# Altium PCB KB-PCB-R02.PcbDoc (part 1 of 5) (continued)
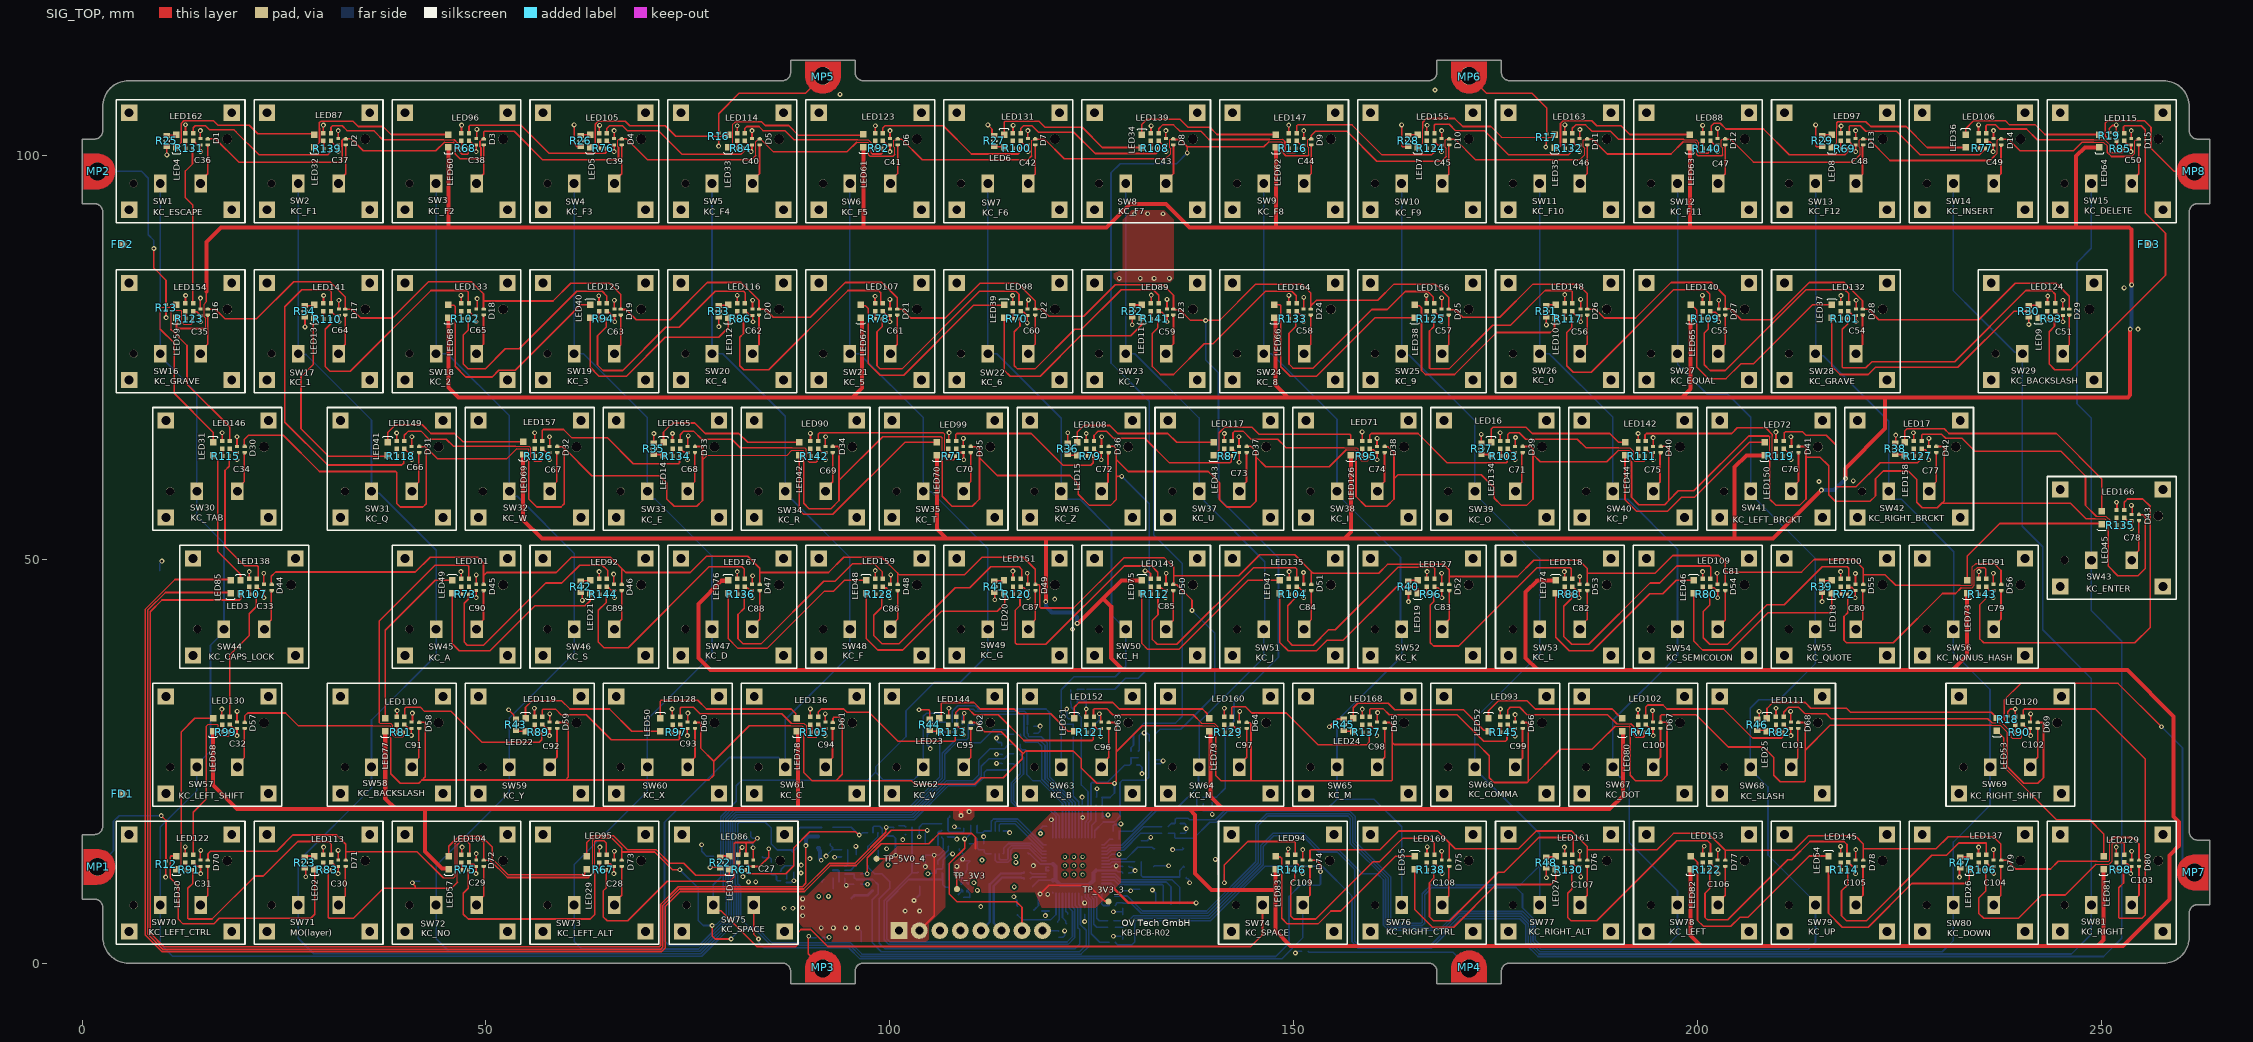
[diagram p0: SIG_TOP view]
## Components (designator, comment, footprint, x,y, rotation, side; value= is the part's Value field where it differs from the comment) (continued)
C72 "100nF 25V" CAPC1005X06L 126.16,63.62 r90 top
C73 "100nF 25V" CAPC1005X06L 143.233,63.62 r90 top
C74 "100nF 25V" CAPC1005X06L 160.307,63.62 r90 top
C75 "100nF 25V" CAPC1005X06L 194.459,63.62 r90 top
C76 "100nF 25V" CAPC1005X06L 211.532,63.62 r90 top
C77 "100nF 25V" CAPC1005X06L 228.605,63.62 r90 top
C78 "100nF 25V" CAPC1005X06L 253.678,55.2 r90 top
C79 "100nF 25V" CAPC1005X06L 236.605,46.547 r90 top
C80 "100nF 25V" CAPC1005X06L 219.527,46.547 r90 top
C81 "100nF 25V" CAPC1005X06L 202.453,46.547 r90 top
C82 "100nF 25V" CAPC1005X06L 185.38,46.547 r90 top
C83 "100nF 25V" CAPC1005X06L 168.307,46.547 r90 top
C84 "100nF 25V" CAPC1005X06L 151.233,46.547 r90 top
C85 "100nF 25V" CAPC1005X06L 134.16,46.547 r90 top
C86 "100nF 25V" CAPC1005X06L 100.014,46.547 r90 top
C87 "100nF 25V" CAPC1005X06L 117.087,46.547 r90 top
C88 "100nF 25V" CAPC1005X06L 82.94,46.547 r90 top
C89 "100nF 25V" CAPC1005X06L 65.867,46.547 r90 top
C90 "100nF 25V" CAPC1005X06L 48.794,46.547 r90 top
C91 "100nF 25V" CAPC1005X06L 40.794,29.474 r90 top
C92 "100nF 25V" CAPC1005X06L 57.867,29.474 r90 top
C93 "100nF 25V" CAPC1005X06L 74.94,29.474 r90 top
C94 "100nF 25V" CAPC1005X06L 92.014,29.474 r90 top
C95 "100nF 25V" CAPC1005X06L 109.087,29.474 r90 top
C96 "100nF 25V" CAPC1005X06L 126.16,29.474 r90 top
C97 "100nF 25V" CAPC1005X06L 143.233,29.474 r90 top
C98 "100nF 25V" CAPC1005X06L 160.307,29.474 r90 top
C99 "100nF 25V" CAPC1005X06L 177.38,29.474 r90 top
C100 "100nF 25V" CAPC1005X06L 194.453,29.474 r90 top
C101 "100nF 25V" CAPC1005X06L 211.527,29.474 r90 top
C102 "100nF 25V" CAPC1005X06L 241.142,29.474 r90 top
C103 "100nF 25V" CAPC1005X06L 253.678,12.4 r90 top
C104 "100nF 25V" CAPC1005X06L 236.605,12.4 r90 top
C105 "100nF 25V" CAPC1005X06L 219.532,12.4 r90 top
C106 "100nF 25V" CAPC1005X06L 202.459,12.4 r90 top
C107 "100nF 25V" CAPC1005X06L 185.385,12.4 r90 top
C108 "100nF 25V" CAPC1005X06L 168.312,12.4 r90 top
C109 "100nF 25V" CAPC1005X06L 151.089,12.4 r90 top
C110 "330pF 50V" CAPC1005X06L 125.9,18.8 r0 bottom
C111 "330pF 50V" CAPC1005X06L 132.45,24.582 r0 bottom
C112 "330pF 50V" CAPC1005X06L 138.376,19.75 r0 bottom
C113 "330pF 50V" CAPC1005X06L 122.8,32.15 r0 bottom
C114 "330pF 50V" CAPC1005X06L 130.15,24.582 r0 bottom
C115 "100nF 25V" CAPC1005X06L 106.8,15.65 r0 bottom
C116 "100nF 25V" CAPC1005X06L 96,9.8 r0 bottom
D1 "BAT54LS-QYL" DFN1006-2A 15.585,101.7 r270 top
D2 "BAT54LS-QYL" DFN1006-2A 32.655,101.7 r270 top
D3 "BAT54LS-QYL" DFN1006-2A 49.734,101.702 r270 top
D4 "BAT54LS-QYL" DFN1006-2A 66.8,101.7 r270 top
D5 "BAT54LS-QYL" DFN1006-2A 83.867,101.7 r270 top
D6 "BAT54LS-QYL" DFN1006-2A 100.951,101.7 r270 top
D7 "BAT54LS-QYL" DFN1006-2A 118.017,101.7 r270 top
D8 "BAT54LS-QYL" DFN1006-2A 135.1,101.7 r270 top
D9 "BAT54LS-QYL" DFN1006-2A 152.172,101.7 r270 top
D10 "BAT54LS-QYL" DFN1006-2A 169.232,101.7 r270 top
D11 "BAT54LS-QYL" DFN1006-2A 186.3,101.7 r270 top
D12 "BAT54LS-QYL" DFN1006-2A 203.4,101.7 r270 top
D13 "BAT54LS-QYL" DFN1006-2A 220.483,101.7 r270 top
D14 "BAT54LS-QYL" DFN1006-2A 237.543,101.696 r270 top
D15 "BAT54LS-QYL" DFN1006-2A 254.6,101.7 r270 top
D16 "BAT54LS-QYL" DFN1006-2A 15.585,80.627 r270 top
D17 "BAT54LS-QYL" DFN1006-2A 32.6,80.627 r270 top
D18 "BAT54LS-QYL" DFN1006-2A 49.7,80.627 r270 top
D19 "BAT54LS-QYL" DFN1006-2A 66.7,80.627 r270 top
D20 "BAT54LS-QYL" DFN1006-2A 83.8,80.627 r270 top
D21 "BAT54LS-QYL" DFN1006-2A 100.9,80.627 r270 top
D22 "BAT54LS-QYL" DFN1006-2A 117.996,80.627 r270 top
D23 "BAT54LS-QYL" DFN1006-2A 135.1,80.627 r270 top
D24 "BAT54LS-QYL" DFN1006-2A 152.1,80.627 r270 top
D25 "BAT54LS-QYL" DFN1006-2A 169.2,80.627 r270 top
D26 "BAT54LS-QYL" DFN1006-2A 186.3,80.627 r270 top
D27 "BAT54LS-QYL" DFN1006-2A 203.4,80.627 r270 top
D28 "BAT54LS-QYL" DFN1006-2A 220.4,80.627 r270 top
D29 "BAT54LS-QYL" DFN1006-2A 246,80.627 r270 top
D30 "BAT54LS-QYL" DFN1006-2A 20.122,63.62 r270 top
D31 "BAT54LS-QYL" DFN1006-2A 41.732,63.62 r270 top
D32 "BAT54LS-QYL" DFN1006-2A 58.805,63.62 r270 top
D33 "BAT54LS-QYL" DFN1006-2A 75.878,63.62 r270 top
D34 "BAT54LS-QYL" DFN1006-2A 92.952,63.62 r270 top
D35 "BAT54LS-QYL" DFN1006-2A 110.025,63.62 r270 top
D36 "BAT54LS-QYL" DFN1006-2A 127.098,63.62 r270 top
D37 "BAT54LS-QYL" DFN1006-2A 144.171,63.62 r270 top
D38 "BAT54LS-QYL" DFN1006-2A 161.245,63.62 r270 top
D39 "BAT54LS-QYL" DFN1006-2A 178.318,63.62 r270 top
D40 "BAT54LS-QYL" DFN1006-2A 195.397,63.62 r270 top
D41 "BAT54LS-QYL" DFN1006-2A 212.47,63.62 r270 top
D42 "BAT54LS-QYL" DFN1006-2A 229.543,63.62 r270 top
D43 "BAT54LS-QYL" DFN1006-2A 254.616,55.2 r270 top
D44 "BAT54LS-QYL" DFN1006-2A 23.469,46.547 r270 top
D45 "BAT54LS-QYL" DFN1006-2A 49.732,46.547 r270 top
D46 "BAT54LS-QYL" DFN1006-2A 66.805,46.547 r270 top
D47 "BAT54LS-QYL" DFN1006-2A 83.878,46.547 r270 top
D48 "BAT54LS-QYL" DFN1006-2A 100.952,46.547 r270 top
D49 "BAT54LS-QYL" DFN1006-2A 118.025,46.547 r270 top
D50 "BAT54LS-QYL" DFN1006-2A 135.098,46.547 r270 top
D51 "BAT54LS-QYL" DFN1006-2A 152.171,46.547 r270 top
D52 "BAT54LS-QYL" DFN1006-2A 169.245,46.547 r270 top
D53 "BAT54LS-QYL" DFN1006-2A 186.318,46.547 r270 top
D54 "BAT54LS-QYL" DFN1006-2A 203.391,46.547 r270 top
D55 "BAT54LS-QYL" DFN1006-2A 220.465,46.547 r270 top
D56 "BAT54LS-QYL" DFN1006-2A 237.543,46.547 r270 top
D57 "BAT54LS-QYL" DFN1006-2A 20.122,29.474 r270 top
D58 "BAT54LS-QYL" DFN1006-2A 41.732,29.474 r270 top
D59 "BAT54LS-QYL" DFN1006-2A 58.805,29.474 r270 top
D60 "BAT54LS-QYL" DFN1006-2A 75.878,29.474 r270 top
D61 "BAT54LS-QYL" DFN1006-2A 92.952,29.474 r270 top
D62 "BAT54LS-QYL" DFN1006-2A 110.025,29.474 r270 top
D63 "BAT54LS-QYL" DFN1006-2A 127.098,29.474 r270 top
D64 "BAT54LS-QYL" DFN1006-2A 144.171,29.474 r270 top
D65 "BAT54LS-QYL" DFN1006-2A 161.245,29.474 r270 top
D66 "BAT54LS-QYL" DFN1006-2A 178.318,29.474 r270 top
D67 "BAT54LS-QYL" DFN1006-2A 195.391,29.474 r270 top
D68 "BAT54LS-QYL" DFN1006-2A 212.465,29.474 r270 top
D69 "BAT54LS-QYL" DFN1006-2A 242.08,29.474 r270 top
D70 "BAT54LS-QYL" DFN1006-2A 15.585,12.4 r270 top
D71 "BAT54LS-QYL" DFN1006-2A 32.658,12.4 r270 top
D72 "BAT54LS-QYL" DFN1006-2A 49.732,12.4 r270 top
D73 "BAT54LS-QYL" DFN1006-2A 66.805,12.4 r270 top
D74 "BAT54LS-QYL" DFN1006-2A 152.027,12.4 r270 top
D75 "BAT54LS-QYL" DFN1006-2A 169.25,12.4 r270 top
D76 "BAT54LS-QYL" DFN1006-2A 186.323,12.4 r270 top
D77 "BAT54LS-QYL" DFN1006-2A 203.397,12.4 r270 top
D78 "BAT54LS-QYL" DFN1006-2A 220.47,12.4 r270 top
D79 "BAT54LS-QYL" DFN1006-2A 237.543,12.4 r270 top
D80 "BAT54LS-QYL" DFN1006-2A 254.616,12.4 r270 top
D81 "PESD5V5C1UL" DFN65P100X50-2N 114.25,24.732 r180 bottom
D82 "PESD5V5C1UL" DFN65P100X50-2N 114.25,25.937 r180 bottom
D83 "PESD5V5C1UL" DFN65P100X50-2N 114.25,27.148 r180 bottom
D84 "PESD5V5C1UL" DFN65P100X50-2N 114.25,28.37 r180 bottom
D85 "PESD5V5C1UL" DFN65P100X50-2N 109.343,29.598 r180 bottom
D86 "PESD5V5C1UL" DFN65P100X50-2N 105.833,29.878 r180 bottom
D87 "PESD5V5C1UL" DFN65P100X50-2N 122.704,29.965 r90 bottom
D88 "PESD5V5C1UL" DFN65P100X50-2N 128.002,16.382 r180 bottom
D89 "PESD5V5C1UL" DFN65P100X50-2N 135.609,17.33 r0 bottom
D90 "PESD5V5C1UL" DFN65P100X50-2N 135.609,16.136 r0 bottom
D91 "PESD5V5C1UL" DFN65P100X50-2N 128.826,8.701 r90 bottom
D92 "PESD5V5C1UL" DFN65P100X50-2N 128.822,7.173 r270 bottom
D93 "PESD5V5C1UL" DFN65P100X50-2N 128.827,5.659 r90 bottom
D94 "PESD5V5C1UL" DFN65P100X50-2N 128.827,4.145 r270 bottom
D95 "PESD5V5C1UL" DFN65P100X50-2N 128.827,2.632 r90 bottom
D96 "PESD5V5C1UL" DFN65P100X50-2N 130.5,27.575 r0 bottom
D97 "PESD5V5C1UL" DFN65P100X50-2N 139.876,20.25 r270 bottom
D98 "PESD5V5C1UL" DFN65P100X50-2N 124.355,33.606 r270 bottom
D99 "PESD5V5C1UL" DFN65P100X50-2N 132.45,27.542 r180 bottom
D100 "PESD5V5C1UL" DFN65P100X50-2N 125.89,20.541 r180 bottom
D101 "PESD5V5C1UL" DFN65P100X50-2N 105.833,28.659 r180 bottom
FD1 "FD_1mm" FD_1mm_Copper_3mm_Expansion 5,21 r0 top
FD2 "FD_1mm" FD_1mm_Copper_3mm_Expansion 5,89 r0 top
FD3 "FD_1mm" FD_1mm_Copper_3mm_Expansion 255.855,89 r0 top
FD4 "FD_1mm" FD_1mm_Copper_3mm_Expansion 5,21 r180 bottom
FD5 "FD_1mm" FD_1mm_Copper_3mm_Expansion 5,89 r180 bottom
FD6 "FD_1mm" FD_1mm_Copper_3mm_Expansion 255.855,89 r180 bottom
J2_DBG "SM05B-SRSS-TB" "WIRE-TO-BOARD SM05B-SRSS-TB" 134.848,5.797 r0 bottom
J_IN1 "8x2,54mm spring header receptable" "BOARD-BOARD CON SPRING-LOADED HEADER 8X2,54MM RECEPTABLE" 110,4.07 r0 bottom
L1 "3.3 uH 4.4A" INDM4141X21N 95.253,6.729 r90 bottom
LED1 "HL-PT-1608H322W-L" "LED 0603" 80.129,12.487 r90 top
LED2 "HL-PT-1608H322W-L" "LED 0603" 28.76,12.487 r90 top
LED3 "HL-PT-1608H322W-L" "LED 0603" 19.617,46.634 r270 top
LED4 "HL-PT-1608H322W-L" "LED 0603" 11.687,101.81 r90 top
LED5 "HL-PT-1608H322W-L" "LED 0603" 62.906,101.81 r90 top
LED6 "HL-PT-1608H322W-L" "LED 0603" 114.134,101.81 r270 top
LED7 "HL-PT-1608H322W-L" "LED 0603" 165.349,101.81 r90 top
LED8 "HL-PT-1608H322W-L" "LED 0603" 216.6,101.81 r90 top
LED9 "HL-PT-1608H322W-L" "LED 0603" 242.181,80.737 r90 top
LED10 "HL-PT-1608H322W-L" "LED 0603" 182.42,80.737 r90 top
LED11 "HL-PT-1608H322W-L" "LED 0603" 131.172,80.737 r90 top
LED12 "HL-PT-1608H322W-L" "LED 0603" 79.98,80.737 r90 top
LED13 "HL-PT-1608H322W-L" "LED 0603" 28.772,80.737 r90 top
LED14 "HL-PT-1608H322W-L" "LED 0603" 71.98,63.707 r270 top
LED15 "HL-PT-1608H322W-L" "LED 0603" 123.2,63.707 r270 top
LED16 "HL-PT-1608H322W-L" "LED 0603" 174.42,63.707 r270 top
LED17 "HL-PT-1608H322W-L" "LED 0603" 225.645,63.707 r270 top
LED18 "HL-PT-1608H322W-L" "LED 0603" 216.567,46.634 r90 top
LED19 "HL-PT-1608H322W-L" "LED 0603" 165.347,46.634 r90 top
LED20 "HL-PT-1608H322W-L" "LED 0603" 114.127,46.634 r90 top
LED21 "HL-PT-1608H322W-L" "LED 0603" 62.907,46.634 r90 top
LED22 "HL-PT-1608H322W-L" "LED 0603" 54.9,29.561 r270 top
LED23 "HL-PT-1608H322W-L" "LED 0603" 106.1,29.561 r270 top
LED24 "HL-PT-1608H322W-L" "LED 0603" 157.347,29.561 r270 top
LED25 "HL-PT-1608H322W-L" "LED 0603" 208.567,29.561 r270 top
LED26 "HL-PT-1608H322W-L" "LED 0603" 233.645,12.487 r90 top
LED27 "HL-PT-1608H322W-L" "LED 0603" 182.425,12.487 r90 top
LED29 "HL-PT-1608H322W-L" "LED 0603" 62.5,12.487 r90 top
LED30 "HL-PT-1608H322W-L" "LED 0603" 11.687,12.487 r90 top
LED31 "HL-PT-1608H322W-L" "LED 0603" 16.224,63.707 r270 top
LED32 "HL-PT-1608H322W-L" "LED 0603" 28.772,101.81 r90 top
LED33 "HL-PT-1608H322W-L" "LED 0603" 79.98,101.81 r90 top
LED34 "HL-PT-1608H322W-L" "LED 0603" 131.2,101.8 r270 top
LED35 "HL-PT-1608H322W-L" "LED 0603" 182.3,101.8 r90 top
LED36 "HL-PT-1608H322W-L" "LED 0603" 233.16,101.81 r270 top
LED37 "HL-PT-1608H322W-L" "LED 0603" 216.6,80.737 r270 top
LED38 "HL-PT-1608H322W-L" "LED 0603" 164.96,80.737 r90 top
LED39 "HL-PT-1608H322W-L" "LED 0603" 114.134,80.737 r270 top
LED40 "HL-PT-1608H322W-L" "LED 0603" 62.906,80.737 r270 top
LED41 "HL-PT-1608H322W-L" "LED 0603" 37.834,63.707 r270 top
LED42 "HL-PT-1608H322W-L" "LED 0603" 88.754,63.707 r90 top
LED43 "HL-PT-1608H322W-L" "LED 0603" 140.073,63.707 r90 top
LED44 "HL-PT-1608H322W-L" "LED 0603" 190.999,63.707 r90 top
LED45 "HL-PT-1608H322W-L" "LED 0603" 250.018,55.171 r90 top
LED46 "HL-PT-1608H322W-L" "LED 0603" 199.493,46.634 r270 top
LED47 "HL-PT-1608H322W-L" "LED 0603" 148.273,46.634 r270 top
LED48 "HL-PT-1608H322W-L" "LED 0603" 97.054,46.634 r270 top
LED49 "HL-PT-1608H322W-L" "LED 0603" 45.834,46.634 r270 top
LED50 "HL-PT-1608H322W-L" "LED 0603" 71.593,29.561 r270 top
LED51 "HL-PT-1608H322W-L" "LED 0603" 122.813,29.561 r270 top
LED52 "HL-PT-1608H322W-L" "LED 0603" 174.1,29.561 r270 top
LED53 "HL-PT-1608H322W-L" "LED 0603" 237.031,29.589 r90 top
LED54 "HL-PT-1608H322W-L" "LED 0603" 216.185,12.487 r270 top
LED55 "HL-PT-1608H322W-L" "LED 0603" 164.965,12.487 r270 top
LED57 "HL-PT-1608H322W-L" "LED 0603" 45.4,12.487 r90 top
LED58 "HL-PT-1608H322W-L" "LED 0603" 16.224,29.561 r90 top
LED59 "HL-PT-1608H322W-L" "LED 0603" 11.687,80.737 r90 top
LED60 "HL-PT-1608H322W-L" "LED 0603" 45.351,101.81 r90 top
LED61 "HL-PT-1608H322W-L" "LED 0603" 96.731,101.819 r90 top
LED62 "HL-PT-1608H322W-L" "LED 0603" 147.789,101.81 r90 top
LED63 "HL-PT-1608H322W-L" "LED 0603" 199.017,101.81 r90 top
LED64 "HL-PT-1608H322W-L" "LED 0603" 249.725,101.809 r90 top
LED65 "HL-PT-1608H322W-L" "LED 0603" 199.128,80.737 r90 top
LED66 "HL-PT-1608H322W-L" "LED 0603" 147.6,80.737 r90 top
LED67 "HL-PT-1608H322W-L" "LED 0603" 96.4,80.737 r90 top
LED68 "HL-PT-1608H322W-L" "LED 0603" 45.351,80.737 r90 top
LED69 "HL-PT-1608H322W-L" "LED 0603" 54.607,63.802 r90 top
LED70 "HL-PT-1608H322W-L" "LED 0603" 105.827,63.707 r90 top
LED71 "HL-PT-1608H322W-L" "LED 0603" 157.047,63.707 r90 top
LED72 "HL-PT-1608H322W-L" "LED 0603" 208.272,63.707 r90 top
LED73 "HL-PT-1608H322W-L" "LED 0603" 233.345,46.634 r90 top
LED74 "HL-PT-1608H322W-L" "LED 0603" 182.42,46.634 r270 top
LED75 "HL-PT-1608H322W-L" "LED 0603" 131.2,46.634 r270 top
LED76 "HL-PT-1608H322W-L" "LED 0603" 79.98,46.634 r270 top
LED77 "HL-PT-1608H322W-L" "LED 0603" 37.534,29.561 r90 top
LED78 "HL-PT-1608H322W-L" "LED 0603" 88.5,29.561 r90 top
LED79 "HL-PT-1608H322W-L" "LED 0603" 139.544,29.561 r90 top
LED80 "HL-PT-1608H322W-L" "LED 0603" 190.657,29.561 r90 top
LED81 "HL-PT-1608H322W-L" "LED 0603" 250.234,12.481 r90 top
LED82 "HL-PT-1608H322W-L" "LED 0603" 199.112,12.487 r90 top
LED83 "HL-PT-1608H322W-L" "LED 0603" 147.742,12.487 r90 top
LED85 "HL-PT-1608H322W-L" "LED 0603" 18.383,46.634 r90 top
LED86 "SK6805-EC15" "LED 0606 RGB SK6805-EC15" 81.719,12.977 r0 top
LED87 "SK6805-EC15" "LED 0606 RGB SK6805-EC15" 30.347,102.3 r0 top
LED88 "SK6805-EC15" "LED 0606 RGB SK6805-EC15" 201.105,102.3 r0 top
LED89 "SK6805-EC15" "LED 0606 RGB SK6805-EC15" 132.792,81.227 r0 top
LED90 "SK6805-EC15" "LED 0606 RGB SK6805-EC15" 90.644,64.197 r0 top
LED91 "SK6805-EC15" "LED 0606 RGB SK6805-EC15" 235.235,47.124 r0 top
LED92 "SK6805-EC15" "LED 0606 RGB SK6805-EC15" 64.497,47.124 r0 top
LED93 "SK6805-EC15" "LED 0606 RGB SK6805-EC15" 176.01,30.051 r0 top
LED94 "SK6805-EC15" "LED 0606 RGB SK6805-EC15" 149.719,12.977 r0 top
LED95 "SK6805-EC15" "LED 0606 RGB SK6805-EC15" 64.497,12.977 r0 top
LED96 "SK6805-EC15" "LED 0606 RGB SK6805-EC15" 47.426,102.3 r0 top
LED97 "SK6805-EC15" "LED 0606 RGB SK6805-EC15" 218.178,102.3 r0 top
LED98 "SK6805-EC15" "LED 0606 RGB SK6805-EC15" 115.709,81.227 r0 top
LED99 "SK6805-EC15" "LED 0606 RGB SK6805-EC15" 107.717,64.197 r0 top
LED100 "SK6805-EC15" "LED 0606 RGB SK6805-EC15" 218.157,47.124 r0 top
LED101 "SK6805-EC15" "LED 0606 RGB SK6805-EC15" 47.424,47.124 r0 top
LED102 "SK6805-EC15" "LED 0606 RGB SK6805-EC15" 193.083,30.051 r0 top
LED104 "SK6805-EC15" "LED 0606 RGB SK6805-EC15" 47.424,12.977 r0 top
LED105 "SK6805-EC15" "LED 0606 RGB SK6805-EC15" 64.492,102.3 r0 top
LED106 "SK6805-EC15" "LED 0606 RGB SK6805-EC15" 235.235,102.3 r0 top
LED107 "SK6805-EC15" "LED 0606 RGB SK6805-EC15" 98.643,81.227 r0 top
LED108 "SK6805-EC15" "LED 0606 RGB SK6805-EC15" 124.79,64.197 r0 top
LED109 "SK6805-EC15" "LED 0606 RGB SK6805-EC15" 201.083,47.124 r0 top
LED110 "SK6805-EC15" "LED 0606 RGB SK6805-EC15" 39.424,30.051 r0 top
LED111 "SK6805-EC15" "LED 0606 RGB SK6805-EC15" 210.157,30.051 r0 top
LED113 "SK6805-EC15" "LED 0606 RGB SK6805-EC15" 30.35,12.977 r0 top
LED114 "SK6805-EC15" "LED 0606 RGB SK6805-EC15" 81.559,102.3 r0 top
LED115 "SK6805-EC15" "LED 0606 RGB SK6805-EC15" 252.308,102.3 r0 top
LED116 "SK6805-EC15" "LED 0606 RGB SK6805-EC15" 81.559,81.227 r0 top
LED117 "SK6805-EC15" "LED 0606 RGB SK6805-EC15" 141.863,64.197 r0 top
LED118 "SK6805-EC15" "LED 0606 RGB SK6805-EC15" 184.01,47.124 r0 top
LED119 "SK6805-EC15" "LED 0606 RGB SK6805-EC15" 56.497,30.051 r0 top
LED120 "SK6805-EC15" "LED 0606 RGB SK6805-EC15" 239.772,30.051 r0 top
LED122 "SK6805-EC15" "LED 0606 RGB SK6805-EC15" 13.277,12.977 r0 top
LED123 "SK6805-EC15" "LED 0606 RGB SK6805-EC15" 98.643,102.3 r0 top
LED124 "SK6805-EC15" "LED 0606 RGB SK6805-EC15" 243.756,81.227 r0 top
LED125 "SK6805-EC15" "LED 0606 RGB SK6805-EC15" 64.492,81.227 r0 top
LED126 "SK6805-EC15" "LED 0606 RGB SK6805-EC15" 158.937,64.197 r0 top
LED127 "SK6805-EC15" "LED 0606 RGB SK6805-EC15" 166.937,47.124 r0 top
LED128 "SK6805-EC15" "LED 0606 RGB SK6805-EC15" 73.57,30.051 r0 top
LED129 "SK6805-EC15" "LED 0606 RGB SK6805-EC15" 252.308,12.977 r0 top
LED130 "SK6805-EC15" "LED 0606 RGB SK6805-EC15" 17.814,30.051 r0 top
LED131 "SK6805-EC15" "LED 0606 RGB SK6805-EC15" 115.709,102.3 r0 top
LED132 "SK6805-EC15" "LED 0606 RGB SK6805-EC15" 218.175,81.227 r0 top
LED133 "SK6805-EC15" "LED 0606 RGB SK6805-EC15" 47.426,81.227 r0 top
LED134 "SK6805-EC15" "LED 0606 RGB SK6805-EC15" 176.01,64.197 r0 top
LED135 "SK6805-EC15" "LED 0606 RGB SK6805-EC15" 149.863,47.124 r0 top
LED136 "SK6805-EC15" "LED 0606 RGB SK6805-EC15" 90.644,30.051 r0 top
LED137 "SK6805-EC15" "LED 0606 RGB SK6805-EC15" 235.235,12.977 r0 top
LED138 "SK6805-EC15" "LED 0606 RGB SK6805-EC15" 21.165,47.124 r0 top
LED139 "SK6805-EC15" "LED 0606 RGB SK6805-EC15" 132.792,102.3 r0 top
LED140 "SK6805-EC15" "LED 0606 RGB SK6805-EC15" 201.092,81.227 r0 top
LED141 "SK6805-EC15" "LED 0606 RGB SK6805-EC15" 30.347,81.227 r0 top
LED142 "SK6805-EC15" "LED 0606 RGB SK6805-EC15" 193.089,64.197 r0 top
LED143 "SK6805-EC15" "LED 0606 RGB SK6805-EC15" 132.79,47.124 r0 top
LED144 "SK6805-EC15" "LED 0606 RGB SK6805-EC15" 107.717,30.051 r0 top
LED145 "SK6805-EC15" "LED 0606 RGB SK6805-EC15" 218.162,12.977 r0 top
LED146 "SK6805-EC15" "LED 0606 RGB SK6805-EC15" 17.814,64.197 r0 top
LED147 "SK6805-EC15" "LED 0606 RGB SK6805-EC15" 149.864,102.3 r0 top
LED148 "SK6805-EC15" "LED 0606 RGB SK6805-EC15" 183.992,81.227 r0 top
LED149 "SK6805-EC15" "LED 0606 RGB SK6805-EC15" 39.424,64.197 r0 top
LED150 "SK6805-EC15" "LED 0606 RGB SK6805-EC15" 210.162,64.197 r0 top
LED151 "SK6805-EC15" "LED 0606 RGB SK6805-EC15" 115.717,47.124 r0 top
LED152 "SK6805-EC15" "LED 0606 RGB SK6805-EC15" 124.79,30.051 r0 top
LED153 "SK6805-EC15" "LED 0606 RGB SK6805-EC15" 201.089,12.977 r0 top
LED154 "SK6805-EC15" "LED 0606 RGB SK6805-EC15" 13.277,81.227 r0 top
LED155 "SK6805-EC15" "LED 0606 RGB SK6805-EC15" 166.937,102.3 r0 top
LED156 "SK6805-EC15" "LED 0606 RGB SK6805-EC15" 166.924,81.227 r0 top
LED157 "SK6805-EC15" "LED 0606 RGB SK6805-EC15" 56.497,64.197 r0 top
LED158 "SK6805-EC15" "LED 0606 RGB SK6805-EC15" 227.235,64.197 r0 top
LED159 "SK6805-EC15" "LED 0606 RGB SK6805-EC15" 98.644,47.124 r0 top
LED160 "SK6805-EC15" "LED 0606 RGB SK6805-EC15" 141.863,30.051 r0 top
LED161 "SK6805-EC15" "LED 0606 RGB SK6805-EC15" 184.015,12.977 r0 top
LED162 "SK6805-EC15" "LED 0606 RGB SK6805-EC15" 13.277,102.3 r0 top
LED163 "SK6805-EC15" "LED 0606 RGB SK6805-EC15" 184.01,102.3 r0 top
LED164 "SK6805-EC15" "LED 0606 RGB SK6805-EC15" 149.864,81.227 r0 top
LED165 "SK6805-EC15" "LED 0606 RGB SK6805-EC15" 73.57,64.197 r0 top
LED166 "SK6805-EC15" "LED 0606 RGB SK6805-EC15" 252.308,55.661 r0 top
LED167 "SK6805-EC15" "LED 0606 RGB SK6805-EC15" 81.57,47.124 r0 top
LED168 "SK6805-EC15" "LED 0606 RGB SK6805-EC15" 158.937,30.051 r0 top
LED169 "SK6805-EC15" "LED 0606 RGB SK6805-EC15" 166.942,12.977 r0 top
MP1 "Edge_2,2mm" MP_Keyboard_EdgeMounts_2.2mm 1.9,11.964 r0 top
MP2 "Edge_2,2mm" MP_Keyboard_EdgeMounts_2.2mm 1.9,98.049 r0 top
MP3 "Edge_2,2mm" MP_Keyboard_EdgeMounts_2.2mm 91.703,-0.606 r90 top
MP4 "Edge_2,2mm" MP_Keyboard_EdgeMounts_2.2mm 171.703,-0.606 r90 top
MP5 "Edge_2,2mm" MP_Keyboard_EdgeMounts_2.2mm 91.703,109.889 r270 top
MP6 "Edge_2,2mm" MP_Keyboard_EdgeMounts_2.2mm 171.703,109.889 r270 top
MP7 "Edge_2,2mm" MP_Keyboard_EdgeMounts_2.2mm 261.505,11.279 r180 top
MP8 "Edge_2,2mm" MP_Keyboard_EdgeMounts_2.2mm 261.505,98.049 r180 top
Q2 "PMG85XP" TSOP65P210X110-6N#1 83.565,12.008 r270 bottom
Q3 "PMZ130UNEYL" DFN65P98X50-3N 100.776,16.837 r180 bottom
Q4 "PMZ130UNEYL" DFN65P98X50-3N 86.842,10.243 r180 bottom
R1 "27R 1%" RESC1005X04L 117.006,10.485 r0 bottom
R2 "27R 1%" RESC1005X04L 117.002,11.291 r0 bottom
R3 "10k 1%" RESC1005X04L 117.417,28.511 r180 bottom
R4 "10k 1%" RESC1005X04L 125.9,18 r0 bottom
R5 "10k 1%" RESC1005X04L 132.45,25.382 r180 bottom
R6 "10k 1%" RESC1005X04L 138.382,18.92 r180 bottom
R7 "10k 1%" RESC1005X04L 122.8,33.025 r180 bottom
R8 "10k 1%" RESC1005X04L 130.75,25.882 r270 bottom
R9 "1k 1%" RESC1005X04L 130.721,12.601 r0 bottom
R10 "10k 1% DNP" RESC1005X04L 110.789,15.802 r90 bottom
R11 "1k 1%" RESC1005X04L 110.42,17.088 r0 bottom
R12 "0Ohm 1%" RESC1005X04L 10.4,12.3 r90 top
R13 "0Ohm 1%" RESC1005X04L 10.4,81.2 r90 top
R14 "0Ohm 1%" RESC1005X04L 91.279,3.194 r180 bottom
R15 "0Ohm 1%" RESC1005X04L 151.4,1.5 r0 bottom
R16 "0Ohm 1%" RESC1005X04L 78.8,102.4 r90 top
R17 "0Ohm 1%" RESC1005X04L 181.308,102.3 r90 top
R18 "0Ohm 1%" RESC1005X04L 238.359,30.218 r270 top
R19 "0Ohm 1%" RESC1005X04L 250.945,102.491 r270 top
R20 "100k 1%" RESC1005X04L 108.758,8.2 r180 bottom
R21 "100k 1%" RESC1005X04L 110.26,8.195 r180 bottom
R22 "113 Ohm 1%" RESC1608X04L 79,12.487 r270 top
R23 "113 Ohm 1%" RESC1608X04L 27.572,12.487 r270 top
R24 "113 Ohm 1%" RESC1608X04L 91.1,15 r270 bottom
R25 "113 Ohm 1%" RESC1608X04L 10.499,101.81 r270 top
R26 "113 Ohm 1%" RESC1608X04L 61.718,101.81 r270 top locked
R27 "113 Ohm 1%" RESC1608X04L 112.939,101.81 r90 top
R28 "113 Ohm 1%" RESC1608X04L 164.159,101.81 r270 top locked
R29 "113 Ohm 1%" RESC1608X04L 215.4,101.81 r270 top
R30 "113 Ohm 1%" RESC1608X04L 240.992,80.74 r270 top
R31 "113 Ohm 1%" RESC1608X04L 181.24,80.737 r270 top
R32 "113 Ohm 1%" RESC1608X04L 130.006,80.737 r270 top
R33 "113 Ohm 1%" RESC1608X04L 78.8,80.737 r270 top
R34 "113 Ohm 1%" RESC1608X04L 27.569,80.737 r270 top
R35 "113 Ohm 1%" RESC1608X04L 70.792,63.707 r90 top
R36 "113 Ohm 1%" RESC1608X04L 122.012,63.707 r90 top
R37 "113 Ohm 1%" RESC1608X04L 173.232,63.707 r90 top
R38 "113 Ohm 1%" RESC1608X04L 224.457,63.707 r90 top
R39 "113 Ohm 1%" RESC1608X04L 215.379,46.634 r270 top
R40 "113 Ohm 1%" RESC1608X04L 164.159,46.634 r270 top
R41 "113 Ohm 1%" RESC1608X04L 112.939,46.634 r270 top
R42 "113 Ohm 1%" RESC1608X04L 61.719,46.634 r270 top
R43 "113 Ohm 1%" RESC1608X04L 53.719,29.561 r90 top
R44 "113 Ohm 1%" RESC1608X04L 104.939,29.561 r90 top
R45 "113 Ohm 1%" RESC1608X04L 156.159,29.561 r90 top
R46 "113 Ohm 1%" RESC1608X04L 207.382,29.561 r90 top
R47 "113 Ohm 1%" RESC1608X04L 232.5,12.487 r270 top
R48 "113 Ohm 1%" RESC1608X04L 181.237,12.487 r270 top
R49 "10k 1%" RESC1005X04L 120.886,3.63 r270 bottom
R50 "100R 1%" RESC1005X04L 106.927,10.399 r0 bottom
R51 "100R 1%" RESC1005X04L 106.794,16.465 r0 bottom
R52 "47k 1%" RESC1005X04L 106.797,17.284 r0 bottom
R53 "47k 1%" RESC1005X04L 106.1,11.2 r0 bottom
R54 "88.7 Ohm 1%" RESC1608X04L 104.4,14.1 r270 bottom
R55 "47k 1%" RESC1005X04L 96,11.1 r180 bottom
R56 "750k 1%" RESC1005X04L 94.4,14.1 r0 bottom
R57 "100R 1%" RESC1005X04L 102.347,16.88 r180 bottom
R58 "68k 1%" RESC1005X04L 94.4,13.2 r0 bottom
R59 "47k 1%" RESC1005X04L 102.347,15.979 r0 bottom
R60 "100R 1%" RESC1005X04L 97.601,12.964 r180 bottom
R61 "470R 1%" RESC1005X04L 81.719,11.577 r180 top
R62 "470R 1%" RESC1005X04L 141,11 r0 bottom
R63 "100k 1%" RESC1005X04L 85.335,10.65 r270 bottom
R64 "100R 1%" RESC1005X04L 85.335,12.166 r90 bottom
R65 "100R 1%" RESC1005X04L 86.85,11.401 r0 bottom
R66 "47k 1%" RESC1005X04L 88.1,11.7 r90 bottom
R67 "470R 1%" RESC1005X04L 64.497,11.577 r0 top
R68 "470R 1%" RESC1005X04L 47.426,100.9 r0 top
R69 "470R 1%" RESC1005X04L 218.175,100.844 r0 top
R70 "470R 1%" RESC1005X04L 115.709,79.8 r0 top
R71 "470R 1%" RESC1005X04L 107.717,62.797 r0 top
R72 "470R 1%" RESC1005X04L 218.157,45.7 r0 top
R73 "470R 1%" RESC1005X04L 47.424,45.7 r0 top
R74 "470R 1%" RESC1005X04L 193.083,28.6 r0 top
R75 "470R 1%" RESC1005X04L 47.424,11.577 r0 top
R76 "470R 1%" RESC1005X04L 64.492,100.892 r0 top
R77 "470R 1%" RESC1005X04L 235.235,100.9 r0 top
R78 "470R 1%" RESC1005X04L 98.643,79.8 r0 top
R79 "470R 1%" RESC1005X04L 124.79,62.797 r0 top
R80 "470R 1%" RESC1005X04L 201.083,45.7 r0 top
R81 "470R 1%" RESC1005X04L 39.424,28.6 r0 top
R82 "470R 1%" RESC1005X04L 210.157,28.6 r0 top
R83 "470R 1%" RESC1005X04L 30.35,11.577 r0 top
R84 "470R 1%" RESC1005X04L 81.559,100.9 r0 top
R85 "470R 1%" RESC1005X04L 252.292,100.85 r0 top
R86 "470R 1%" RESC1005X04L 81.481,79.777 r0 top
R87 "470R 1%" RESC1005X04L 141.863,62.797 r0 top
R88 "470R 1%" RESC1005X04L 184.01,45.7 r0 top
R89 "470R 1%" RESC1005X04L 56.497,28.6 r0 top
R90 "470R 1%" RESC1005X04L 239.772,28.6 r0 top
R91 "470R 1%" RESC1005X04L 13.277,11.577 r0 top
R92 "470R 1%" RESC1005X04L 98.643,100.9 r0 top
R93 "470R 1%" RESC1005X04L 243.756,79.799 r0 top
R94 "470R 1%" RESC1005X04L 64.492,79.782 r0 top
R95 "470R 1%" RESC1005X04L 158.937,62.797 r0 top
R96 "470R 1%" RESC1005X04L 166.937,45.7 r0 top
R97 "470R 1%" RESC1005X04L 73.57,28.602 r0 top
R98 "470R 1%" RESC1005X04L 252.308,11.577 r0 top
R99 "470R 1%" RESC1005X04L 17.814,28.651 r0 top
R100 "470R 1%" RESC1005X04L 115.709,100.907 r0 top
R101 "470R 1%" RESC1005X04L 218.175,79.815 r0 top
R102 "470R 1%" RESC1005X04L 47.426,79.8 r0 top
R103 "470R 1%" RESC1005X04L 176.01,62.797 r0 top
R104 "470R 1%" RESC1005X04L 149.863,45.7 r0 top
R105 "470R 1%" RESC1005X04L 90.644,28.599 r0 top
R106 "470R 1%" RESC1005X04L 235.235,11.577 r0 top
R107 "470R 1%" RESC1005X04L 21.161,45.7 r0 top
R108 "470R 1%" RESC1005X04L 132.792,100.9 r0 top
R109 "470R 1%" RESC1005X04L 200.9,79.8 r0 top
R110 "470R 1%" RESC1005X04L 30.347,79.776 r0 top
R111 "470R 1%" RESC1005X04L 193.089,62.797 r0 top
R112 "470R 1%" RESC1005X04L 132.79,45.7 r0 top
R113 "470R 1%" RESC1005X04L 107.717,28.636 r0 top
R114 "470R 1%" RESC1005X04L 218.162,11.577 r0 top
R115 "470R 1%" RESC1005X04L 17.814,62.797 r0 top
R116 "470R 1%" RESC1005X04L 149.864,100.9 r0 top
R117 "470R 1%" RESC1005X04L 183.992,79.8 r0 top
R118 "470R 1%" RESC1005X04L 39.424,62.797 r0 top
R119 "470R 1%" RESC1005X04L 210.162,62.797 r0 top
R120 "470R 1%" RESC1005X04L 115.717,45.7 r0 top
R121 "470R 1%" RESC1005X04L 124.79,28.593 r0 top
R122 "470R 1%" RESC1005X04L 201.089,11.577 r0 top
R123 "470R 1%" RESC1005X04L 13.277,79.827 r0 top
R124 "470R 1%" RESC1005X04L 166.924,100.9 r0 top
R125 "470R 1%" RESC1005X04L 166.924,79.8 r0 top
R126 "470R 1%" RESC1005X04L 56.497,62.797 r0 top
R127 "470R 1%" RESC1005X04L 227.235,62.797 r0 top
R128 "470R 1%" RESC1005X04L 98.644,45.7 r0 top
R129 "470R 1%" RESC1005X04L 141.863,28.6 r0 top
R130 "470R 1%" RESC1005X04L 184.015,11.577 r0 top
R131 "470R 1%" RESC1005X04L 13.277,100.9 r0 top
R132 "470R 1%" RESC1005X04L 183.992,100.9 r0 top
R133 "470R 1%" RESC1005X04L 149.864,79.8 r0 top
R134 "470R 1%" RESC1005X04L 73.57,62.797 r0 top
R135 "470R 1%" RESC1005X04L 252.308,54.261 r0 top
R136 "470R 1%" RESC1005X04L 81.57,45.7 r0 top
R137 "470R 1%" RESC1005X04L 158.937,28.6 r0 top
R138 "470R 1%" RESC1005X04L 166.942,11.577 r0 top
R139 "470R 1%" RESC1005X04L 30.347,100.844 r0 top
R140 "470R 1%" RESC1005X04L 201.092,100.864 r0 top
R141 "470R 1%" RESC1005X04L 132.756,79.789 r0 top
R142 "470R 1%" RESC1005X04L 90.644,62.797 r0 top
R143 "470R 1%" RESC1005X04L 235.235,45.7 r0 top
R144 "470R 1%" RESC1005X04L 64.497,45.7 r0 top
R145 "470R 1%" RESC1005X04L 176.01,28.6 r0 top
R146 "470R 1%" RESC1005X04L 149.719,11.577 r0 top
R147 "300R 1%" RESC1005X04L 115.75,24.689 r0 bottom
R148 "300R 1%" RESC1005X04L 115.75,25.964 r0 bottom
R149 "300R 1%" RESC1005X04L 115.75,27.152 r0 bottom
R150 "300R 1%" RESC1005X04L 115.75,28.362 r0 bottom
R151 "300R 1%" RESC1005X04L 110.843,29.561 r0 bottom
R152 "300R 1%" RESC1005X04L 107.333,29.879 r0 bottom
R153 "300R 1%" RESC1005X04L 122.708,28.465 r270 bottom
R154 "300R 1%" RESC1005X04L 128,15.4 r180 bottom
R155 "300R 1%" RESC1005X04L 134.062,16.911 r180 bottom
R156 "300R 1%" RESC1005X04L 134.062,16.111 r180 bottom
R157 "300R 1%" RESC1005X04L 127.861,8.716 r90 bottom
R158 "300R 1%" RESC1005X04L 127.527,7.183 r180 bottom
R159 "300R 1%" RESC1005X04L 127.327,5.3 r180 bottom
R160 "300R 1%" RESC1005X04L 127.327,4.5 r180 bottom
R161 "300R 1%" RESC1005X04L 127.527,2.632 r180 bottom
R162 "300R 1%" RESC1005X04L 129.85,25.882 r90 bottom
R163 "300R 1%" RESC1005X04L 138.376,20.55 r0 bottom
R164 "300R 1%" RESC1005X04L 122.8,33.888 r0 bottom
R165 "300R 1%" RESC1005X04L 132.45,26.182 r0 bottom
R166 "300R 1%" RESC1005X04L 125.9,19.59 r0 bottom
R167 "300R 1%" RESC1005X04L 107.333,28.66 r180 bottom
R168 "47k 1%" RESC1005X04L 97.598,12.159 r180 bottom
SW1 "CPG1316S01D02" SW_KEYBOARD_KAIHL-PG1316S 12.187,99.303 r0 top locked
SW2 "CPG1316S01D02" SW_KEYBOARD_KAIHL-PG1316S 29.26,99.303 r0 top locked
SW3 "CPG1316S01D02" SW_KEYBOARD_KAIHL-PG1316S 46.334,99.303 r0 top locked
SW4 "CPG1316S01D02" SW_KEYBOARD_KAIHL-PG1316S 63.406,99.303 r0 top locked
SW5 "CPG1316S01D02" SW_KEYBOARD_KAIHL-PG1316S 80.48,99.303 r0 top locked
SW6 "CPG1316S01D02" SW_KEYBOARD_KAIHL-PG1316S 97.554,99.303 r0 top locked
SW7 "CPG1316S01D02" SW_KEYBOARD_KAIHL-PG1316S 114.627,99.303 r0 top locked
SW8 "CPG1316S01D02" SW_KEYBOARD_KAIHL-PG1316S 131.7,99.303 r0 top locked
SW9 "CPG1316S01D02" SW_KEYBOARD_KAIHL-PG1316S 148.773,99.303 r0 top locked
SW10 "CPG1316S01D02" SW_KEYBOARD_KAIHL-PG1316S 165.847,99.303 r0 top locked
SW11 "CPG1316S01D02" SW_KEYBOARD_KAIHL-PG1316S 182.92,99.303 r0 top locked
SW12 "CPG1316S01D02" SW_KEYBOARD_KAIHL-PG1316S 200.015,99.303 r0 top locked
SW13 "CPG1316S01D02" SW_KEYBOARD_KAIHL-PG1316S 217.088,99.303 r0 top locked
SW14 "CPG1316S01D02" SW_KEYBOARD_KAIHL-PG1316S 234.145,99.303 r0 top locked
SW15 "CPG1316S01D02" SW_KEYBOARD_KAIHL-PG1316S 251.218,99.303 r0 top locked
SW16 "CPG1316S01D02" SW_KEYBOARD_KAIHL-PG1316S 12.187,78.23 r0 top locked
SW17 "CPG1316S01D02" SW_KEYBOARD_KAIHL-PG1316S 29.26,78.23 r0 top locked
SW18 "CPG1316S01D02" SW_KEYBOARD_KAIHL-PG1316S 46.334,78.23 r0 top locked
SW19 "CPG1316S01D02" SW_KEYBOARD_KAIHL-PG1316S 63.406,78.23 r0 top locked
SW20 "CPG1316S01D02" SW_KEYBOARD_KAIHL-PG1316S 80.48,78.23 r0 top locked
SW21 "CPG1316S01D02" SW_KEYBOARD_KAIHL-PG1316S 97.554,78.23 r0 top locked
SW22 "CPG1316S01D02" SW_KEYBOARD_KAIHL-PG1316S 114.627,78.23 r0 top locked
SW23 "CPG1316S01D02" SW_KEYBOARD_KAIHL-PG1316S 131.7,78.23 r0 top locked
SW24 "CPG1316S01D02" SW_KEYBOARD_KAIHL-PG1316S 148.773,78.23 r0 top locked
SW25 "CPG1316S01D02" SW_KEYBOARD_KAIHL-PG1316S 165.847,78.23 r0 top locked
SW26 "CPG1316S01D02" SW_KEYBOARD_KAIHL-PG1316S 182.92,78.23 r0 top locked
SW27 "CPG1316S01D02" SW_KEYBOARD_KAIHL-PG1316S 200.015,78.23 r0 top locked
SW28 "CPG1316S01D02" SW_KEYBOARD_KAIHL-PG1316S 217.088,78.23 r0 top locked
SW29 "CPG1316S01D02" SW_KEYBOARD_KAIHL-PG1316S 242.682,78.23 r0 top locked
SW30 "CPG1316S01D02" SW_KEYBOARD_KAIHL-PG1316S 16.724,61.2 r0 top locked
SW31 "CPG1316S01D02" SW_KEYBOARD_KAIHL-PG1316S 38.334,61.2 r0 top locked
SW32 "CPG1316S01D02" SW_KEYBOARD_KAIHL-PG1316S 55.407,61.2 r0 top locked
SW33 "CPG1316S01D02" SW_KEYBOARD_KAIHL-PG1316S 72.48,61.2 r0 top locked
SW34 "CPG1316S01D02" SW_KEYBOARD_KAIHL-PG1316S 89.554,61.2 r0 top locked
SW35 "CPG1316S01D02" SW_KEYBOARD_KAIHL-PG1316S 106.627,61.2 r0 top locked
SW36 "CPG1316S01D02" SW_KEYBOARD_KAIHL-PG1316S 123.7,61.2 r0 top locked
SW37 "CPG1316S01D02" SW_KEYBOARD_KAIHL-PG1316S 140.773,61.2 r0 top locked
SW38 "CPG1316S01D02" SW_KEYBOARD_KAIHL-PG1316S 157.847,61.2 r0 top locked
SW39 "CPG1316S01D02" SW_KEYBOARD_KAIHL-PG1316S 174.92,61.2 r0 top locked
SW40 "CPG1316S01D02" SW_KEYBOARD_KAIHL-PG1316S 191.999,61.2 r0 top locked
SW41 "CPG1316S01D02" SW_KEYBOARD_KAIHL-PG1316S 209.072,61.2 r0 top locked
SW42 "CPG1316S01D02" SW_KEYBOARD_KAIHL-PG1316S 226.145,61.2 r0 top locked
SW43 "CPG1316S01D02" SW_KEYBOARD_KAIHL-PG1316S 251.218,52.664 r0 top locked
SW44 "CPG1316S01D02" SW_KEYBOARD_KAIHL-PG1316S 20.071,44.127 r0 top locked
SW45 "CPG1316S01D02" SW_KEYBOARD_KAIHL-PG1316S 46.334,44.127 r0 top locked
SW46 "CPG1316S01D02" SW_KEYBOARD_KAIHL-PG1316S 63.407,44.127 r0 top locked
SW47 "CPG1316S01D02" SW_KEYBOARD_KAIHL-PG1316S 80.48,44.127 r0 top locked
SW48 "CPG1316S01D02" SW_KEYBOARD_KAIHL-PG1316S 97.554,44.127 r0 top locked
SW49 "CPG1316S01D02" SW_KEYBOARD_KAIHL-PG1316S 114.627,44.127 r0 top locked
SW50 "CPG1316S01D02" SW_KEYBOARD_KAIHL-PG1316S 131.7,44.127 r0 top locked
SW51 "CPG1316S01D02" SW_KEYBOARD_KAIHL-PG1316S 148.773,44.127 r0 top locked
SW52 "CPG1316S01D02" SW_KEYBOARD_KAIHL-PG1316S 165.847,44.127 r0 top locked
SW53 "CPG1316S01D02" SW_KEYBOARD_KAIHL-PG1316S 182.92,44.127 r0 top locked
SW54 "CPG1316S01D02" SW_KEYBOARD_KAIHL-PG1316S 199.993,44.127 r0 top locked
SW55 "CPG1316S01D02" SW_KEYBOARD_KAIHL-PG1316S 217.067,44.127 r0 top locked
SW56 "CPG1316S01D02" SW_KEYBOARD_KAIHL-PG1316S 234.145,44.127 r0 top locked
SW57 "CPG1316S01D02" SW_KEYBOARD_KAIHL-PG1316S 16.724,27.054 r0 top locked
SW58 "CPG1316S01D02" SW_KEYBOARD_KAIHL-PG1316S 38.334,27.054 r0 top locked
SW59 "CPG1316S01D02" SW_KEYBOARD_KAIHL-PG1316S 55.407,27.054 r0 top locked
SW60 "CPG1316S01D02" SW_KEYBOARD_KAIHL-PG1316S 72.48,27.054 r0 top locked
SW61 "CPG1316S01D02" SW_KEYBOARD_KAIHL-PG1316S 89.554,27.054 r0 top locked
SW62 "CPG1316S01D02" SW_KEYBOARD_KAIHL-PG1316S 106.627,27.054 r0 top locked
SW63 "CPG1316S01D02" SW_KEYBOARD_KAIHL-PG1316S 123.7,27.054 r0 top locked
SW64 "CPG1316S01D02" SW_KEYBOARD_KAIHL-PG1316S 140.773,27.054 r0 top locked
SW65 "CPG1316S01D02" SW_KEYBOARD_KAIHL-PG1316S 157.847,27.054 r0 top locked
SW66 "CPG1316S01D02" SW_KEYBOARD_KAIHL-PG1316S 174.92,27.054 r0 top locked
SW67 "CPG1316S01D02" SW_KEYBOARD_KAIHL-PG1316S 191.993,27.054 r0 top locked
SW68 "CPG1316S01D02" SW_KEYBOARD_KAIHL-PG1316S 209.067,27.054 r0 top locked
SW69 "CPG1316S01D02" SW_KEYBOARD_KAIHL-PG1316S 238.682,27.054 r0 top locked
SW70 "CPG1316S01D02" SW_KEYBOARD_KAIHL-PG1316S 12.187,9.98 r0 top locked
SW71 "CPG1316S01D02" SW_KEYBOARD_KAIHL-PG1316S 29.26,9.98 r0 top locked
SW72 "CPG1316S01D02" SW_KEYBOARD_KAIHL-PG1316S 46.334,9.98 r0 top locked
SW73 "CPG1316S01D02" SW_KEYBOARD_KAIHL-PG1316S 63.407,9.98 r0 top locked
SW74 "CPG1316S01D02" SW_KEYBOARD_KAIHL-PG1316S 148.629,9.98 r0 top locked
SW75 "CPG1316S01D02" SW_KEYBOARD_KAIHL-PG1316S 80.629,9.98 r0 top locked
SW76 "CPG1316S01D02" SW_KEYBOARD_KAIHL-PG1316S 165.852,9.98 r0 top locked
SW77 "CPG1316S01D02" SW_KEYBOARD_KAIHL-PG1316S 182.925,9.98 r0 top locked
SW78 "CPG1316S01D02" SW_KEYBOARD_KAIHL-PG1316S 199.999,9.98 r0 top locked
SW79 "CPG1316S01D02" SW_KEYBOARD_KAIHL-PG1316S 217.072,9.98 r0 top locked
SW80 "CPG1316S01D02" SW_KEYBOARD_KAIHL-PG1316S 234.145,9.98 r0 top locked
SW81 "CPG1316S01D02" SW_KEYBOARD_KAIHL-PG1316S 251.218,9.98 r0 top locked
TP_3V3 "Testpoint 0.75mm" TP_0.75mm 108.3,9.2 r90 top
TP_3V3_1 "Testpoint 0.75mm" TP_0.75mm 117.8,6.4 r0 bottom
TP_3V3_2 "Testpoint 0.75mm" TP_0.75mm 109.841,14.818 r0 bottom
TP_3V3_3 "Testpoint 0.75mm" TP_0.75mm 127.053,7.658 r180 top
TP_3V3_4 "Testpoint 0.75mm" TP_0.75mm 108.6,14.2 r0 bottom
TP_5V0_2 "Testpoint 0.75mm" TP_0.75mm 96.476,2.677 r90 bottom
TP_5V0_3 "Testpoint 0.75mm" TP_0.75mm 103.7,9.6 r90 bottom
TP_5V0_4 "Testpoint 0.75mm" TP_0.75mm 98.351,12.964 r90 top
TP_12V0 "Testpoint 0.75mm" TP_0.75mm 92.6,14.8 r90 bottom
TP_CAPS_CTRL "Testpoint 0.75mm" TP_0.75mm 103.5,11.3 r90 bottom
TP_GND "Testpoint 0.75mm" TP_0.75mm 124.79,28.193 r90 bottom
TP_GND_1 "Testpoint 0.75mm" TP_0.75mm 9.6,48.6 r0 bottom
TP_GND_2 "Testpoint 0.75mm" TP_0.75mm 115.8,7.1 r0 bottom
TP_GND_3 "Testpoint 0.75mm" TP_0.75mm 130.91,9.198 r0 bottom
TP_GND_4 "Testpoint 0.75mm" TP_0.75mm 81.8,15.4 r0 bottom
TP_IO26 "Testpoint 0.75mm" TP_0.75mm 122,6.1 r270 bottom
TP_IO27 "Testpoint 0.75mm" TP_0.75mm 121.888,4.898 r90 bottom
TP_IO28 "Testpoint 0.75mm" TP_0.75mm 120.8,5.1 r270 bottom
TP_IO29 "Testpoint 0.75mm" TP_0.75mm 115.8,6 r270 bottom
TP_LED-W_ON "Testpoint 0.75mm" TP_0.75mm 107.4,18.3 r90 bottom
TP_LEDW-CTRL "Testpoint 0.75mm" TP_0.75mm 107.359,9.36 r90 bottom
TP_RGB_CTRL "Testpoint 0.5mm" TP_0.50mm 99,11.1 r90 bottom
TP_RGB_DATA "Testpoint 0.75mm" TP_0.75mm 92.945,16.88 r90 bottom
TP_RGB_LED_OUT1 "Testpoint 0.5mm" TP_0.50mm 82.8,16.3 r90 bottom
TP_RGB_LED_OUT2 "Testpoint 0.5mm" TP_0.50mm 41.8,10.2 r0 bottom
TP_RGB_P "Testpoint 0.75mm" TP_0.75mm 78.2,13.252 r90 bottom